# Altium PCB PCB.PcbDoc (part 3 of 4)
Units mm, origin at the board's own origin, x right, y up, seen from the top; angles counter-clockwise.
Board outline 100 x 100 mm, 6 copper layers (Top Layer, Layer 2, Layer 3, Layer 4, Layer 5, Bottom Layer), stack 1.538 mm thick; 352 components, 247 nets, 1015 pads, 362 vias.
Unrouted connection lines stored in the file: 1.
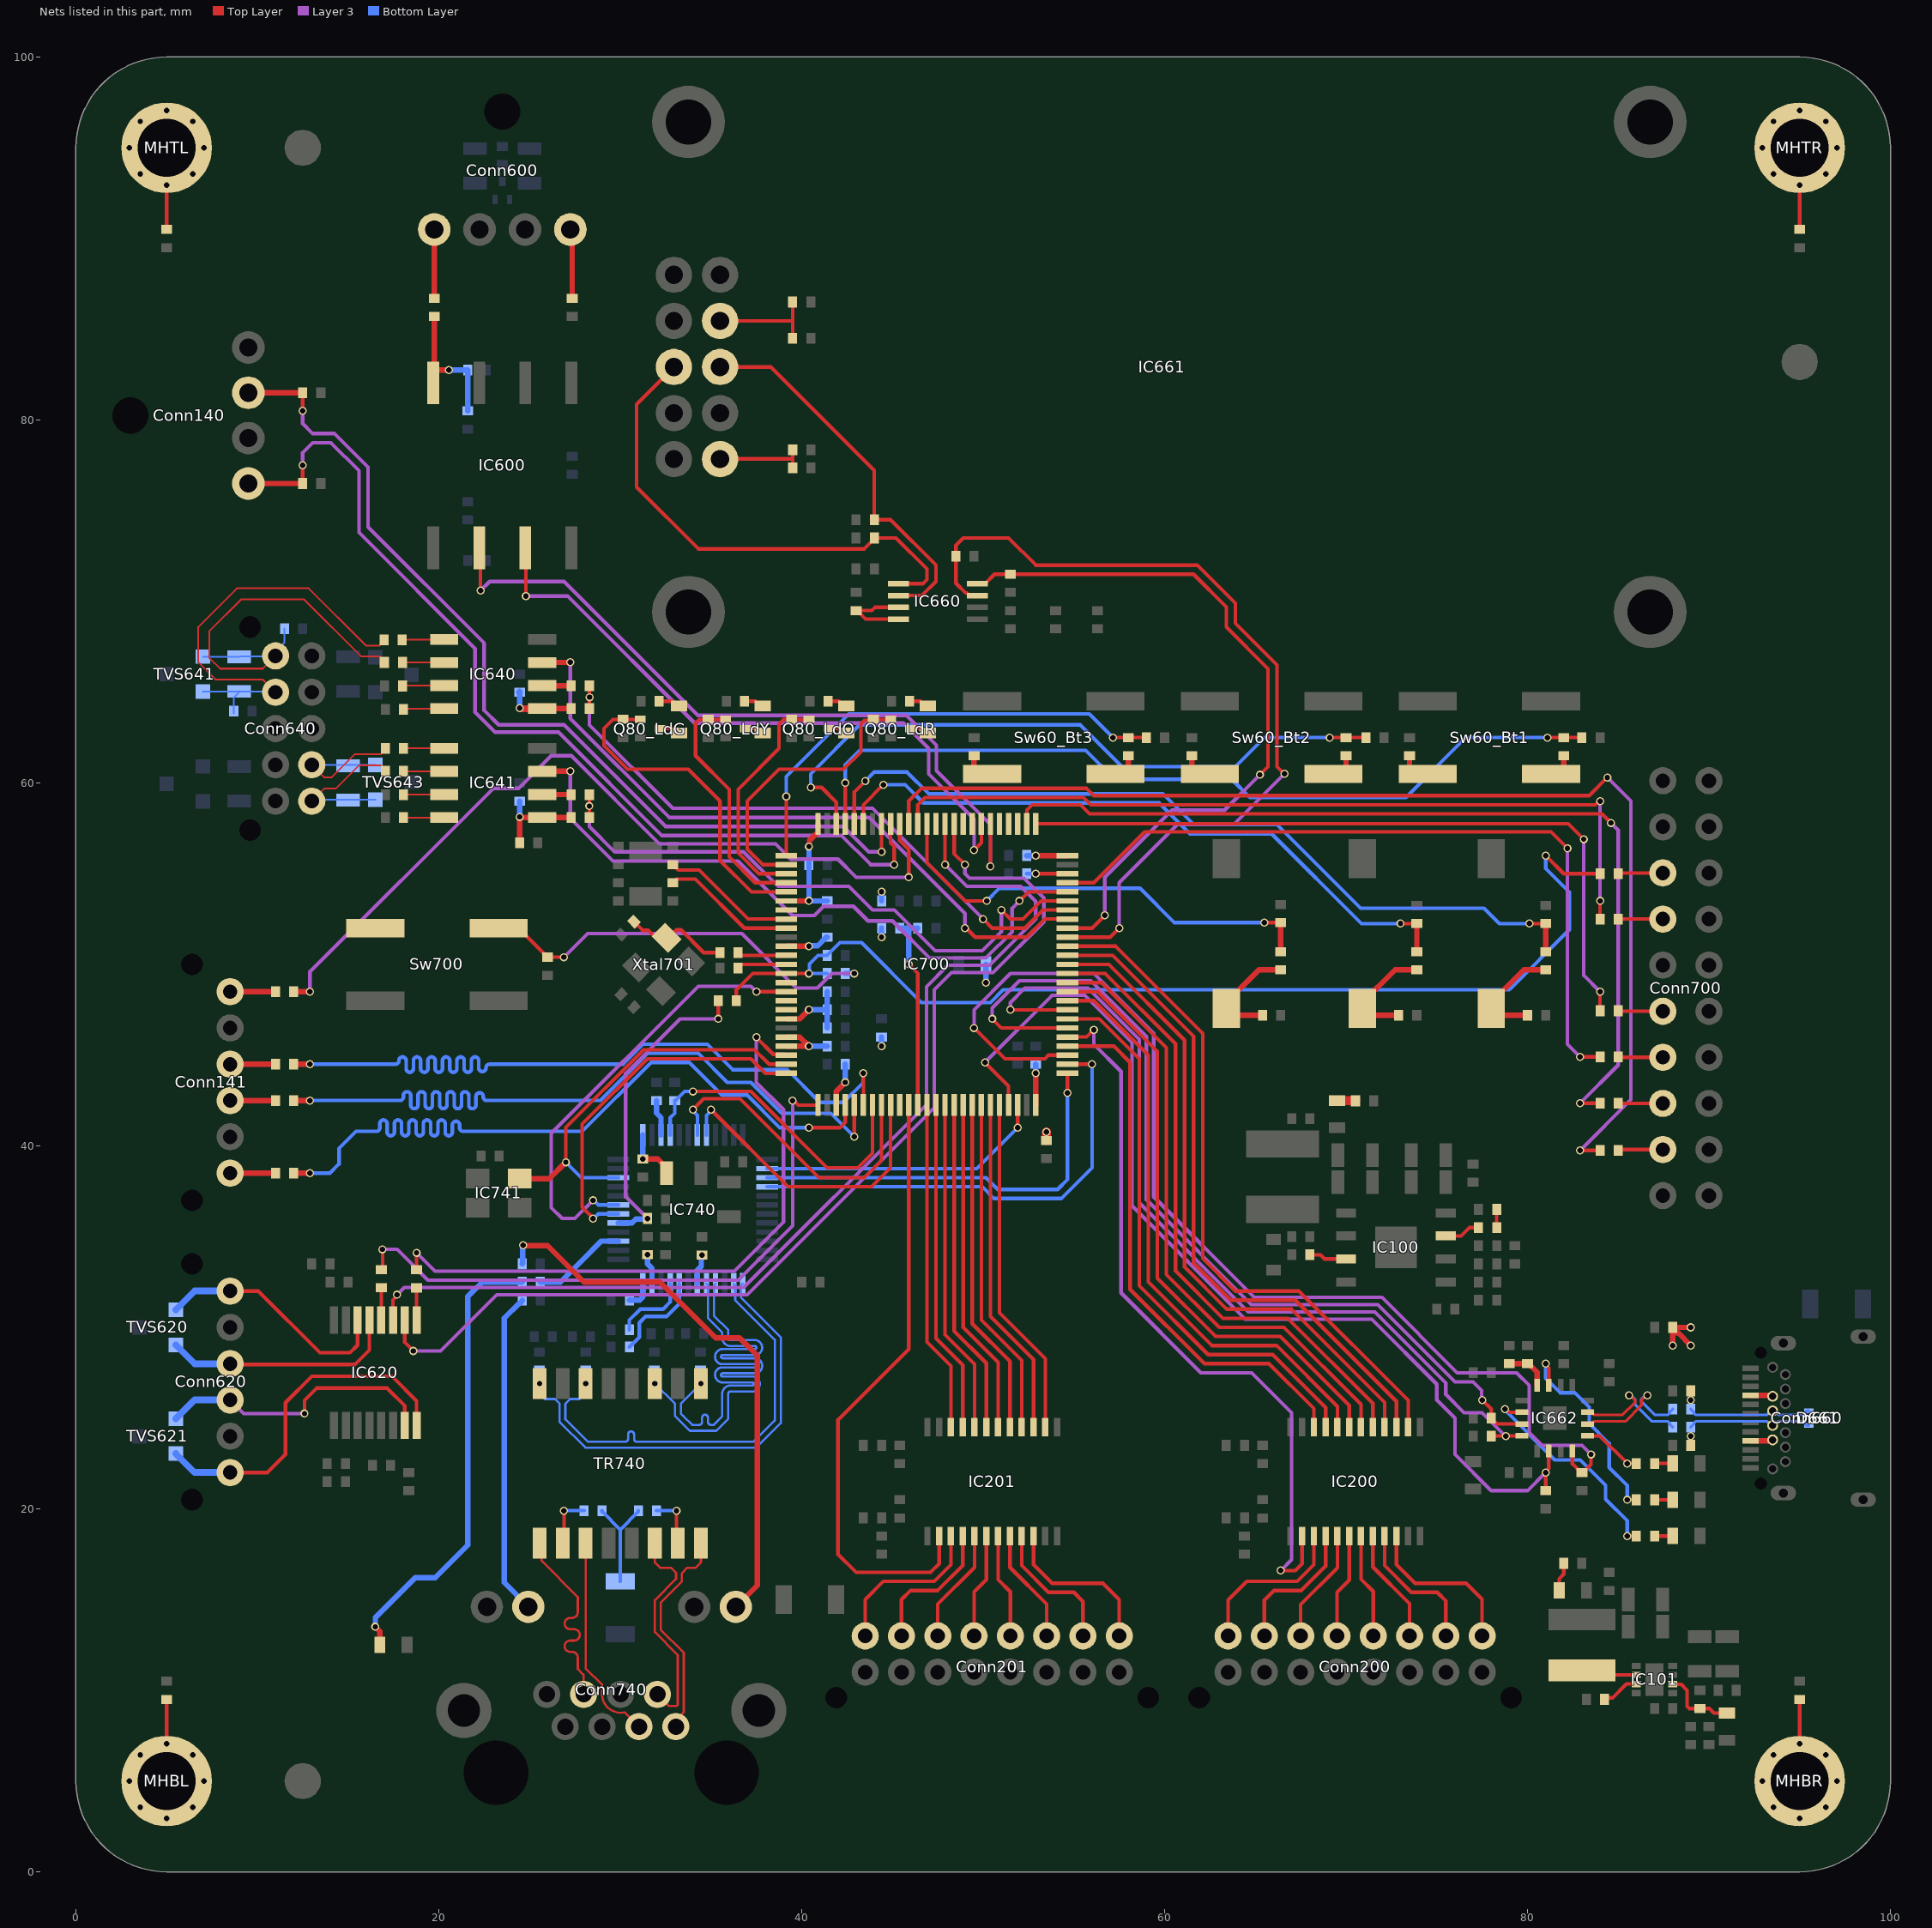
[diagram p7: the nets of this part, all layers, seen from the top]

## Via types
v1: diameter 0.45, hole 0.3, Top Layer to Bottom Layer, 341 vias
v2: diameter 0.45, hole 0.3, Top Layer to Bottom Layer, tented top, 16 vias
v3: diameter 0.45, hole 0.3, Top Layer to Bottom Layer, tented bottom, 5 vias

## Nets (pads, with @x,y where several pads share a name; then routed paths per layer and width w, separated by ;. In a path a pad name is that pad's centre, name@x,y a point inside that pad or via, vN(x,y) a via of type N, cw(c..) or ccw(c..) an arc to the next point about the centre after c; other vN are vias at no path point) (continued)
NetC717_1: C717.1 IC700.73 | length 2.3
  Top Layer w0.2: v1(52.9,55) IC700.73@54.65,55
  Bottom Layer w0.2: C717.1@52.4,55 v1(52.9,55)
NetC718_1: C718.1 R715.2 Xtal701.2 | length 5.7
  Top Layer w0.2: C718.1@30.754,52.354 31.223,51.884 31.541,51.884 31.958,51.467 Xtal701.2@32.559,51.467 ; Xtal701.2@32.659,51.467 33.092,51.9 33.35,51.9 34.6,50.65 R715.2@35.5,50.65
NetC740_1: C740.1 C741.1 C742.1 C743.1 IC740.18 IC740.23 IC740.37 | length 6.5
  Top Layer w0.3: v1(31.245,39.279) 32.071,39.279 32.55,38.8 C740.1@32.55,38.5
  Bottom Layer w0.3: v1(31.245,39.279) 31.25,39.284 IC740.37@31.25,40.6 ; v1(31.5,34) 31.5,33.5 31.75,33.25 IC740.23@31.75,32.4 ; IC740.18@34.25,32.4 34.25,33.145 34.469,33.364 34.469,33.959 v1(34.498,33.988)
NetC751_2: C751.2 R758.2 R759.2 | length 5.8
  Bottom Layer w0.2: R758.2@29,19.9 29,19.85 30,18.85 ; C751.2@30,16 30,18.85 ; R759.2@31,19.9 31,19.85 30,18.85
NetConn141_1: Conn141.1 R142.2 | length 2.5
  Top Layer w0.3: Conn141.1@8.5,48.5 R142.2@11,48.5
NetConn141_3: Conn141.3 R143.2 | length 2.5
  Top Layer w0.3: Conn141.3@8.5,44.5 R143.2@11,44.5
NetConn141_4: Conn141.4 R144.2 | length 2.5
  Top Layer w0.3: Conn141.4@8.5,42.5 R144.2@11,42.5
NetConn141_6: Conn141.6 R145.2 | length 2.5
  Top Layer w0.3: Conn141.6@8.5,38.5 R145.2@11,38.5
NetConn200_1: Conn200.1 IC200.3 | length 9.1
  Top Layer w0.2: Conn200.1@63.5,13 63.5,14.974 64.526,16 67.3,16 68.225,16.925 IC200.3@68.225,18.5
NetConn200_3: Conn200.3 IC200.4 | length 7.8
  Top Layer w0.2: Conn200.3@65.5,13 65.5,14.974 66.025,15.499 67.525,15.499 68.875,16.849 IC200.4@68.875,18.5
NetConn200_5: Conn200.5 IC200.5 | length 6.3
  Top Layer w0.2: Conn200.5@67.5,13 67.5,14.725 69.525,16.75 IC200.5@69.525,18.5
NetConn200_7: Conn200.7 IC200.6 | length 5.8
  Top Layer w0.2: Conn200.7@69.5,13 69.5,15.4 70.175,16.075 IC200.6@70.175,18.5
NetConn200_9: Conn200.9 IC200.7 | length 5.8
  Top Layer w0.2: IC200.7@70.825,18.5 70.825,16.125 71.5,15.45 Conn200.9@71.5,13
NetConn200_11: Conn200.11 IC200.8 | length 6.3
  Top Layer w0.2: IC200.8@71.475,18.5 71.475,16.8 73.5,14.775 Conn200.11@73.5,13
NetConn200_13: Conn200.13 IC200.9 | length 7.7
  Top Layer w0.2: IC200.9@72.125,18.5 72.125,16.875 73.601,15.399 75.025,15.399 75.5,14.924 Conn200.13@75.5,13
NetConn200_15: Conn200.15 IC200.10 | length 9.1
  Top Layer w0.2: IC200.10@72.775,18.5 72.775,16.925 73.8,15.9 76.624,15.9 77.5,15.024 Conn200.15@77.5,13
NetConn201_1: Conn201.1 IC201.3 | length 9.1
  Top Layer w0.2: Conn201.1@43.5,13 43.5,15 44.5,16 47.3,16 48.225,16.925 IC201.3@48.225,18.5
NetConn201_3: Conn201.3 IC201.4 | length 7.8
  Top Layer w0.2: Conn201.3@45.5,13 45.5,15 46,15.5 47.5,15.5 48.875,16.875 IC201.4@48.875,18.5
NetConn201_5: Conn201.5 IC201.5 | length 6.3
  Top Layer w0.2: Conn201.5@47.5,13 47.5,14.751 49.525,16.776 IC201.5@49.525,18.5
NetConn201_7: Conn201.7 IC201.6 | length 5.8
  Top Layer w0.2: Conn201.7@49.5,13 49.5,15.426 50.175,16.101 IC201.6@50.175,18.5
NetConn201_9: Conn201.9 IC201.7 | length 5.8
  Top Layer w0.2: IC201.7@50.825,18.5 50.825,16.101 51.5,15.426 Conn201.9@51.5,13
NetConn201_11: Conn201.11 IC201.8 | length 6.3
  Top Layer w0.2: IC201.8@51.475,18.5 51.475,16.776 53.5,14.751 Conn201.11@53.5,13
NetConn201_13: Conn201.13 IC201.9 | length 7.7
  Top Layer w0.2: IC201.9@52.125,18.5 52.125,16.875 53.6,15.4 55,15.4 55.5,14.9 Conn201.13@55.5,13
NetConn201_15: Conn201.15 IC201.10 | length 9.1
  Top Layer w0.2: IC201.10@52.775,18.5 52.775,16.925 53.8,15.9 56.6,15.9 57.5,15 Conn201.15@57.5,13
NetConn600_1: Conn600.1 R601.2 | length 3.8
  Top Layer w0.3: R601.2@27.35,86.7 Conn600.1@27.35,90.5
NetConn600_4: Conn600.4 R602.2 | length 3.8
  Top Layer w0.3: R602.2@19.75,86.7 Conn600.4@19.75,90.5
NetConn620_1: Conn620.1 IC620.14 TVS620.D2 | length 13.4
  Top Layer w0.2: Conn620.1@8.5,32 10.05,32 13.45,28.6 15.1,28.6 15.521,29.021 IC620.14@15.521,30.396
  Bottom Layer w0.381: TVS620.D2@5.5,30.96 6.54,32 Conn620.1@8.5,32
NetConn620_3: Conn620.3 IC620.13 TVS620.D1 | length 13.1
  Top Layer w0.2: Conn620.3@8.5,27.95 15.369,27.95 16.171,28.752 IC620.13@16.171,30.396
  Bottom Layer w0.381: TVS620.D1@5.5,29.04 6.54,28 Conn620.3@8.5,28
NetConn620_4: Conn620.4 IC620.7 TVS621.D2 | length 16.2
  Top Layer w0.2: Conn620.4@8.5,26 Conn620.4@8.8,26 ; v1(12.6,25.25) 12.6,25.981 13.269,26.65 17.15,26.65 18.125,25.675 IC620.7@18.125,24.6
  Layer 3 w0.2: Conn620.4@8.5,26 9.25,25.25 v1(12.6,25.25)
  Bottom Layer w0.381: TVS621.D2@5.5,24.96 6.54,26 Conn620.4@8.5,26
NetConn620_6: Conn620.6 IC620.8 TVS621.D1 | length 19.5
  Top Layer w0.2: Conn620.6@8.5,22 10.55,22 11.55,23 11.55,25.85 13,27.3 17.419,27.3 18.775,25.944 IC620.8@18.775,24.6
  Bottom Layer w0.381: TVS621.D1@5.5,23.04 6.54,22 Conn620.6@8.5,22
NetConn700_3: Conn700.3 R700.2 | length 2.3
  Top Layer w0.2: R700.2@85.15,39.8 Conn700.3@87.46,39.8
NetConn700_5: Conn700.5 R701.2 | length 2.4
  Top Layer w0.2: R701.2@85.11,42.34 Conn700.5@87.46,42.34
NetConn700_7: Conn700.7 R702.2 | length 2.3
  Top Layer w0.2: R702.2@85.12,44.88 Conn700.7@87.46,44.88
NetConn700_9: Conn700.9 R703.2 | length 2.3
  Top Layer w0.2: R703.2@85.13,47.42 Conn700.9@87.46,47.42
NetConn700_13: Conn700.13 R704.2 | length 2.4
  Top Layer w0.2: R704.2@85.1,52.5 Conn700.13@87.46,52.5
NetConn700_15: Conn700.15 R705.2 | length 2.3
  Top Layer w0.2: R705.2@85.14,55.04 Conn700.15@87.46,55.04
NetConn740_L1-C: Conn740.L1-C R752.2 | length 17.9
  Bottom Layer w0.3: R752.2@24.6,31.5 24.6,31.45 24.5,31.35 24.45,31.35 23.6,30.5 23.6,15.94 Conn740.L1-C@24.936,14.604
NetConn740_L2-C: Conn740.L2-C R755.2 | length 30.8
  Top Layer w0.3: v1(24.646,34.522) 24.667,34.5 26,34.5 28,32.5 32.187,32.5 35.263,29.424 36.576,29.424 37.55,28.45 37.55,15.788 Conn740.L2-C@36.366,14.604
  Bottom Layer w0.3: R755.2@24.6,33.5 24.623,33.523 24.623,34.499 v1(24.646,34.522)
NetD101_K: D101.K R104.1 | length 1
  Top Layer w0.5: D101.K@69.5,42.5 70.52,42.5 R104.1@70.52,42.484
NetD102_K: D102.K R110.1 | length 1.6
  Top Layer w0.2: D102.K@81.75,15.5 81.75,16.15 82,16.4 R110.1@82,17
NetD103_A: D103.A IC101.2 R113.2 | length 4.2
  Top Layer w0.2: IC101.2@87.925,10.325 88.475,10.325 88.8,10 88.8,9.117 88.917,9 90.022,9 90.273,8.749 D103.A@91,8.75
NetD200_A: D200.A R80_LdR.1 | length 1.1
  Top Layer w0.2: R80_LdR.1@45.95,64.5 46.55,64.5 46.8,64.25 D200.A@46.95,64.25
NetD200_K: D200.K Q80_LdR.D | length 1.1
  Top Layer w0.2: Q80_LdR.D@46,63 46.55,63 46.8,62.75 D200.K@46.95,62.75
NetD201_A: D201.A R80_LdO.1 | length 1.1
  Top Layer w0.2: R80_LdO.1@41.45,64.5 42.05,64.5 42.3,64.25 D201.A@42.45,64.25
NetD201_K: D201.K Q80_LdO.D | length 1.1
  Top Layer w0.2: Q80_LdO.D@41.5,63 42.05,63 42.3,62.75 D201.K@42.45,62.75
NetD202_A: D202.A R80_LdY.1 | length 1.1
  Top Layer w0.2: R80_LdY.1@36.85,64.5 37.45,64.5 37.7,64.25 D202.A@37.85,64.25
NetD202_K: D202.K Q80_LdY.D | length 1.1
  Top Layer w0.2: Q80_LdY.D@36.9,63 37.45,63 37.7,62.75 D202.K@37.85,62.75
NetD203_A: D203.A R80_LdG.1 | length 1.2
  Top Layer w0.2: R80_LdG.1@32.15,64.5 32.85,64.5 33.1,64.25 D203.A@33.25,64.25
NetD203_K: D203.K Q80_LdG.D | length 1.1
  Top Layer w0.2: Q80_LdG.D@32.3,63 32.85,63 33.1,62.75 D203.K@33.25,62.75
NetD660_K: D660.K R676.1 | length 1
  Top Layer w0.2: R676.1@87,20.5 D660.K@88,20.5
NetD662_K: D662.K R678.1 | length 1
  Top Layer w0.2: R678.1@87,22.5 D662.K@88,22.5
NetD663_K: D663.K R680.1 | length 1
  Top Layer w0.2: R680.1@87,18.5 D663.K@88,18.5
NetD740_K: D740.K R751.2 | length 25.4
  Top Layer w0.3: v1(16.5,13.5) 16.75,13.25 D740.K@16.75,12.5
  Bottom Layer w0.3: v1(16.5,13.5) 16.5,14 18.7,16.2 19.8,16.2 21.6,18 21.6,31.7 22.4,32.5 R751.2@24.6,32.5
NetL101_1: IC101.6 L101.1 | length 3.2
  Top Layer w0.2: L101.1@83,11.1 83.25,10.85 IC101.6@86.1,10.85
NetMHBL_Hole: MHBL.Hole R302.1 | length 2.5
  Top Layer w0.2: MHBL.Hole@5,7.05 R302.1@5,9.5
NetMHBR_Hole: MHBR.Hole R303.2 | length 4.5
  Top Layer w0.2: MHBR.Hole@95,5 R303.2@95,9.5
NetMHTL_Hole: MHTL.Hole R300.1 | length 4.5
  Top Layer w0.2: R300.1@5,90.5 MHTL.Hole@5,95
NetMHTR_Hole: MHTR.Hole R301.2 | length 2.5
  Top Layer w0.2: R301.2@95,90.5 MHTR.Hole@95,92.95
NetR40_Sw1_1: R40_Sw1.1 R41_Sw1.1 Sw40_Sw1.B | length 6.2
  Top Layer w0.3: R41_Sw1.1@65.4,47.2 63.775,47.2 Sw40_Sw1.B@63.4,47.575 63.4,47.9 65.2,49.7 R40_Sw1.1@66.4,49.7
NetR40_Sw2_1: R40_Sw2.1 R41_Sw2.1 Sw40_Sw2.B | length 6.2
  Top Layer w0.3: R41_Sw2.1@72.9,47.2 71.275,47.2 Sw40_Sw2.B@70.9,47.575 70.9,47.9 72.7,49.7 R40_Sw2.1@73.9,49.7
NetR40_Sw3_1: R40_Sw3.1 R41_Sw3.1 Sw40_Sw3.B | length 6.2
  Top Layer w0.3: R41_Sw3.1@80,47.2 78.375,47.2 Sw40_Sw3.B@78,47.575 78,47.9 79.8,49.7 R40_Sw3.1@81,49.7
NetR60_Bt1_1: R60_Bt1.1 R61_Bt1.1 Sw60_Bt1.B | length 3
  Top Layer w0.3: R61_Bt1.1@73.5,61.5 73.5,60.85 73.85,60.5 Sw60_Bt1.B@74.2,60.5 ; Sw60_Bt1.B@81.3,60.5 81.65,60.5 82,60.85 R60_Bt1.1@82,61.5
NetR60_Bt2_1: R60_Bt2.1 R61_Bt2.1 Sw60_Bt2.B | length 3
  Top Layer w0.3: R61_Bt2.1@61.5,61.5 61.5,60.85 61.85,60.5 Sw60_Bt2.B@62.2,60.5 ; Sw60_Bt2.B@69.3,60.5 69.65,60.5 70,60.85 R60_Bt2.1@70,61.5
NetR60_Bt3_1: R60_Bt3.1 R61_Bt3.1 Sw60_Bt3.B | length 3.3
  Top Layer w0.3: R61_Bt3.1@49.5,61.5 49.5,60.85 49.85,60.5 Sw60_Bt3.B@50.5,60.5 ; Sw60_Bt3.B@57.3,60.5 57.65,60.5 58,60.85 R60_Bt3.1@58,61.5
NetR101_1: IC100.3-EN R101.1 | length 2.1
  Top Layer w0.2: R101.1@68,34 68.594,34 68.824,33.77 IC100.3-EN@70,33.77
NetR105_1: R105.1 R106.2 | length 1
  Top Layer w0.2: R106.2@78.3,35.5 R105.1@78.3,36.5
NetR106_1: IC100.7-RT R106.1 | length 2
  Top Layer w0.2: IC100.7-RT@75.5,35.04 76.34,35.04 76.8,35.5 R106.1@77.3,35.5
NetR111_2: IC101.7 R111.2 | length 2.2
  Top Layer w0.2: R111.2@84.25,9.5 84.333,9.583 84.683,9.583 85.45,10.35 IC101.7@86.1,10.35
NetR621_1: IC620.12 R621.1 | length 1.8
  Top Layer w0.2: IC620.12@16.829,30.404 R621.1@16.829,32.176
NetR622_1: IC620.9 R622.1 | length 1.8
  Top Layer w0.2: IC620.9@18.775,30.4 R622.1@18.775,32.174
NetR643_1: IC640.8 R643.1 | length 2.3
  Top Layer w0.097: R643.1@17.988,64.076 18.007,64.095 IC640.8@20.3,64.095
NetR644_1: IC640.2 R644.1 | length 1.6
  Top Layer w0.3: IC640.2@25.708,65.357 R644.1@27.292,65.357
  Top Layer w0.381: IC640.2@25.7,65.365 IC640.2@25.708,65.357 ; R644.1@27.292,65.357 R644.1@27.3,65.35
NetR646_1: IC640.7 R646.1 | length 2.3
  Top Layer w0.097: R646.1@18.012,65.344 18.033,65.365 IC640.7@20.3,65.365
NetR647_1: IC640.5 R647.1 | length 2.3
  Top Layer w0.097: R647.1@17.988,67.89 18.003,67.905 IC640.5@20.3,67.905
NetR649_1: IC640.6 R649.1 | length 2.3
  Top Layer w0.097: R649.1@18,66.646 18.011,66.635 IC640.6@20.3,66.635
NetR652_1: IC641.8 R652.1 | length 2.3
  Top Layer w0.097: R652.1@17.996,58.107 18.007,58.095 IC641.8@20.3,58.095
NetR653_1: IC641.2 R653.1 | length 1.6
  Top Layer w0.3: IC641.2@25.708,59.358 R653.1@27.293,59.358
  Top Layer w0.381: IC641.2@25.7,59.365 IC641.2@25.708,59.358 ; R653.1@27.293,59.358 R653.1@27.3,59.35
NetR654_1: IC641.7 R654.1 | length 2.3
  Top Layer w0.097: R654.1@18,59.361 18.004,59.365 IC641.7@20.3,59.365
NetR655_1: IC641.5 R655.1 | length 2.3
  Top Layer w0.097: R655.1@17.989,61.893 18.001,61.905 IC641.5@20.3,61.905
NetR656_1: IC641.6 R656.1 | length 2.3
  Top Layer w0.097: R656.1@18,60.633 18.002,60.635 IC641.6@20.3,60.635
NetR660_2: IC661.LED+ R660.2 R662.2 | length 5
  Top Layer w0.2: IC661.LED+@35.5,77.84 35.519,77.859 39.504,77.859 ; R662.2@39.504,77.359 39.504,77.859 ; R660.2@39.504,78.359 39.504,77.859
NetR661_1: IC660.7 IC660.8 R661.1 | length 4.9
  Top Layer w0.2: IC660.8@45.325,69.025 43.525,69.025 43.05,69.5 R661.1@43,69.5 43.863,69.5 44.038,69.675 IC660.7@45.325,69.675
NetR663_2: IC661.V0 R663.2 R668.1 | length 6
  Top Layer w0.2: IC661.V0@35.5,85.46 39.46,85.46 39.5,85.5 ; R663.2@39.5,84.5 39.5,85.5 ; R668.1@39.5,86.5 39.5,85.5
NetR666_2: IC660.5 IC661.SCL R666.2 | length 28.1
  Top Layer w0.2: IC661.SCL@32.96,82.92 30.9,80.86 30.9,76.3 34.3,72.9 43.45,72.9 44,73.45 R666.2@44,73.5 45.193,73.5 46.9,71.793 46.9,71.2 46.675,70.975 IC660.5@45.325,70.975
NetR667_2: IC660.6 IC661.SDA R667.2 | length 21.3
  Top Layer w0.2: IC661.SDA@35.5,82.92 38.304,82.92 44,77.224 R667.2@44,74.5 44.9,74.5 47.4,72 47.4,71.1 46.625,70.325 IC660.6@45.325,70.325
NetR676_2: IC662.11 R676.2 | length 11.6
  Top Layer w0.2: v1(81,28) 81,27.932 81.175,27.757 IC662.11@81.175,26.81 ; v1(85.5,20.5) R676.2@86,20.5
  Bottom Layer w0.2: v1(81,28) 81,27.2 81.8,26.4 82.6,26.4 83.4,25.6 83.4,24.7 84.5,23.6 84.5,22.284 85.5,21.284 v1(85.5,20.5)
NetR678_2: IC662.5 R678.2 | length 3.3
  Top Layer w0.2: IC662.5@83.31,24.025 83.975,24.025 v1(85.5,22.5) R678.2@86,22.5
NetR680_2: IC662.14 R680.2 | length 12.1
  Top Layer w0.2: v1(78.765,25.5) 78.832,25.5 79.007,25.325 IC662.14@79.69,25.325 ; v1(85.5,18.5) R680.2@86,18.5
  Bottom Layer w0.2: v1(78.765,25.5) 78.765,25.435 81.5,22.7 82.9,22.7 84.3,21.3 84.3,20.534 85.5,19.334 v1(85.5,18.5)
NetR706_2: R706.2 R707.1 Sw700.A | length 22.9
  Top Layer w0.2: Sw700.A@23.3,52 24.4,52 25.85,50.55 25.85,50.5 25.95,50.4 v1(26.9,50.4)
  Layer 3 w0.2: v1(26.9,50.4) 28.2,51.7 36.7,51.7 39.7,48.7 40.866,48.7 41.666,49.5 v1(42.9,49.5)
  Bottom Layer w0.3: R707.1@42.4,49.5 v1(42.9,49.5)
NetR715_1: IC700.12 R715.1 | length 2.7
  Top Layer w0.2: R715.1@36.5,50.65 36.65,50.5 IC700.12@39.15,50.5
NetR716_1: IC700.13 R716.1 | length 2.7
  Top Layer w0.2: R716.1@36.5,49.8 36.5,49.812 36.688,50 IC700.13@39.15,50
NetR741_2: IC740.39 R741.2 | length 2
  Bottom Layer w0.3: R741.2@32,42.5 32,41.8 32.25,41.55 IC740.39@32.25,40.6
NetR742_2: IC740.29 R742.2 R745.2 | length 17.5
  Top Layer w0.2: v2(35.4,47) R745.2@35.4,48
  Layer 3 w0.2: v1(31.5,36) 30.3,37.2 30.3,44 33.3,47 v2(35.4,47)
  Bottom Layer w0.3: IC740.29@29.9,35.75 30.645,35.75 30.866,35.971 31.471,35.971 v1(31.5,36)
NetR743_2: IC740.20 R743.2 | length 5.5
  Bottom Layer w0.2: R743.2@30.5,28.925 R743.2@30.65,29.075 ; R743.2@30.512,28.913 31.05,29.451 31.05,30.25 31.4,30.6 32.55,30.6 33.25,31.3 IC740.20@33.25,32.4
NetR744_2: IC740.21 R744.2 | length 4.2
  Bottom Layer w0.2: R744.2@30.5,29.875 30.5,30.4 31.1,31 32.35,31 32.75,31.4 IC740.21@32.75,32.4
NetR746_2: IC740.24 R746.2 | length 1.5
  Bottom Layer w0.3: R746.2@30.5,31.5 31.074,31.5 31.25,31.676 IC740.24@31.25,32.4
NetR758_1: R758.1 TR740.10 | length 2.8
  Top Layer w0.2: TR740.10@26.9,18.175 v1(26.9,19.9)
  Bottom Layer w0.2: v1(26.9,19.9) R758.1@28,19.9
NetR759_1: R759.1 TR740.15 | length 2.8
  Top Layer w0.2: TR740.15@33.1,18.175 v1(33.1,19.9)
  Bottom Layer w0.2: R759.1@32,19.9 v1(33.1,19.9)
NRST: C700.2 IC700.14 R705.1 R707.2 R745.1 | length 59.9
  Top Layer w0.2: R745.1@36.4,48 36.4,48.6 37.3,49.5 IC700.14@39.15,49.5 v1(40.4,49.5) ; v1(81,56) 82,55 R705.1@84,55
  Bottom Layer w0.2: R707.2@41.4,49.5 v1(40.4,49.5) 40.425,49.525 40.425,50.025 40.9,50.5 C700.2@41.4,50.5 42.1,51.2 43.3,51.2 46.6,47.9 50.4,47.9 51.1,48.6 79,48.6 82.3,51.9 82.3,54 81,55.3 v1(81,56)
PA0: IC700.23 R622.2 | length 35.6
  Top Layer w0.2: R622.2@18.775,33.174 v1(18.774,34.113) ; v1(37.5,46) 37.5,45.976 38.426,45.05 39.1,45.05 IC700.23@39.15,45
  Layer 3 w0.2: v1(18.774,34.113) 19.787,33.1 36.293,33.1 39,35.807 39,42 37.5,43.5 v1(37.5,46)
PA1: IC700.24 IC740.34 IC741.OUT | length 22.3
  Top Layer w0.2: v1(27,39.1) 27,41.01 31.29,45.3 37.4,45.3 38.2,44.5 IC700.24@39.15,44.5
  Top Layer w0.3: IC741.OUT@24.459,38.191 26.091,38.191 v1(27,39.1)
  Bottom Layer w0.2: v1(27,39.1) 27.85,38.25 IC740.34@29.9,38.25
PA2: IC700.25 IC740.30 | length 20
  Top Layer w0.2: v1@28.52,36 27.9,36.62 27.9,41.2 31.5,44.8 37.2,44.8 38,44 IC700.25@39.15,44
  Layer 3 w0.3: v1(28.5,36) v1@28.541,36
  Bottom Layer w0.2: v1@28.541,36 28.791,36.25 IC740.30@29.9,36.25
PA3: IC700.26 R621.2 | length 34.1
  Top Layer w0.2: R621.2@16.833,33.18 16.9,33.247 v1(16.9,34.3) ; v1(39.5,42.5) 39.568,42.5 39.818,42.25 IC700.26@40.9,42.25
  Layer 3 w0.2: v1(16.9,34.3) 17.7,34.3 19.4,32.6 36.5,32.6 39.5,35.6 v1(39.5,42.5)
PA4: IC700.29 R145.1 | length 43.7
  Top Layer w0.2: v1(40.4,41) 42.1,41 42.4,41.3 IC700.29@42.4,42.25
  Top Layer w0.3: R145.1@12,38.5 v1(12.9,38.5)
  Bottom Layer w0.2: v1(12.9,38.5) 14,38.5 14.5,39 14.5,39.861 15.439,40.8 16.45,40.8 16.55,40.8 ccw(c16.55,41) 16.75,41 16.75,41.228 cw(c16.95,41.228) 17.15,41.228 17.15,40.759 ccw(c17.35,40.759) 17.55,40.759 17.55,41.228 cw(c17.75,41.228) 17.95,41.228 17.95,40.759 ccw(c18.15,40.759) 18.35,40.759 18.35,41.228 cw(c18.55,41.228) 18.75,41.228 18.75,40.759 ccw(c18.95,40.759) 19.15,40.759 19.15,41.228 cw(c19.35,41.228) 19.55,41.228 19.55,40.759 ccw(c19.75,40.759) 19.95,40.759 19.95,41.228 cw(c20.15,41.228) 20.35,41.228 20.35,40.759 ccw(c20.55,40.759) 20.75,40.759 20.75,41.156 cw(c20.95,41.156) 21.15,41.156 21.15,41 ccw(c21.35,41) 21.35,40.8 24.797,40.8 27.9,40.8 31.7,44.6 33.8,44.6 35.6,42.8 37,42.8 38.8,41 v1(40.4,41)
PA5: IC700.30 R144.1 | length 43.7
  Top Layer w0.2: v1(42.9,40.5) IC700.30@42.9,42.25
  Top Layer w0.3: R144.1@12,42.5 v1(12.9,42.5)
  Bottom Layer w0.2: v1(12.9,42.5) 17.75,42.5 17.85,42.5 ccw(c17.85,42.7) 18.05,42.7 18.05,42.784 cw(c18.25,42.784) 18.45,42.784 18.45,42.252 ccw(c18.65,42.252) 18.85,42.252 18.85,42.784 cw(c19.05,42.784) 19.25,42.784 19.25,42.252 ccw(c19.45,42.252) 19.65,42.252 19.65,42.784 cw(c19.85,42.784) 20.05,42.784 20.05,42.252 ccw(c20.25,42.252) 20.45,42.252 20.45,42.784 cw(c20.65,42.784) 20.85,42.784 20.85,42.252 ccw(c21.05,42.252) 21.25,42.252 21.25,42.784 cw(c21.45,42.784) 21.65,42.784 21.65,42.252 ccw(c21.85,42.252) 22.05,42.252 22.05,42.726 cw(c22.25,42.726) 22.45,42.726 22.45,42.7 ccw(c22.65,42.7) 22.65,42.5 23.914,42.5 28.9,42.5 31.5,45.1 34.3,45.1 35.9,43.5 37.2,43.5 38.9,41.8 41.6,41.8 v1(42.9,40.5)